# Altium PCB StepTMC5160.PcbDoc (part 1 of 3) (continued)
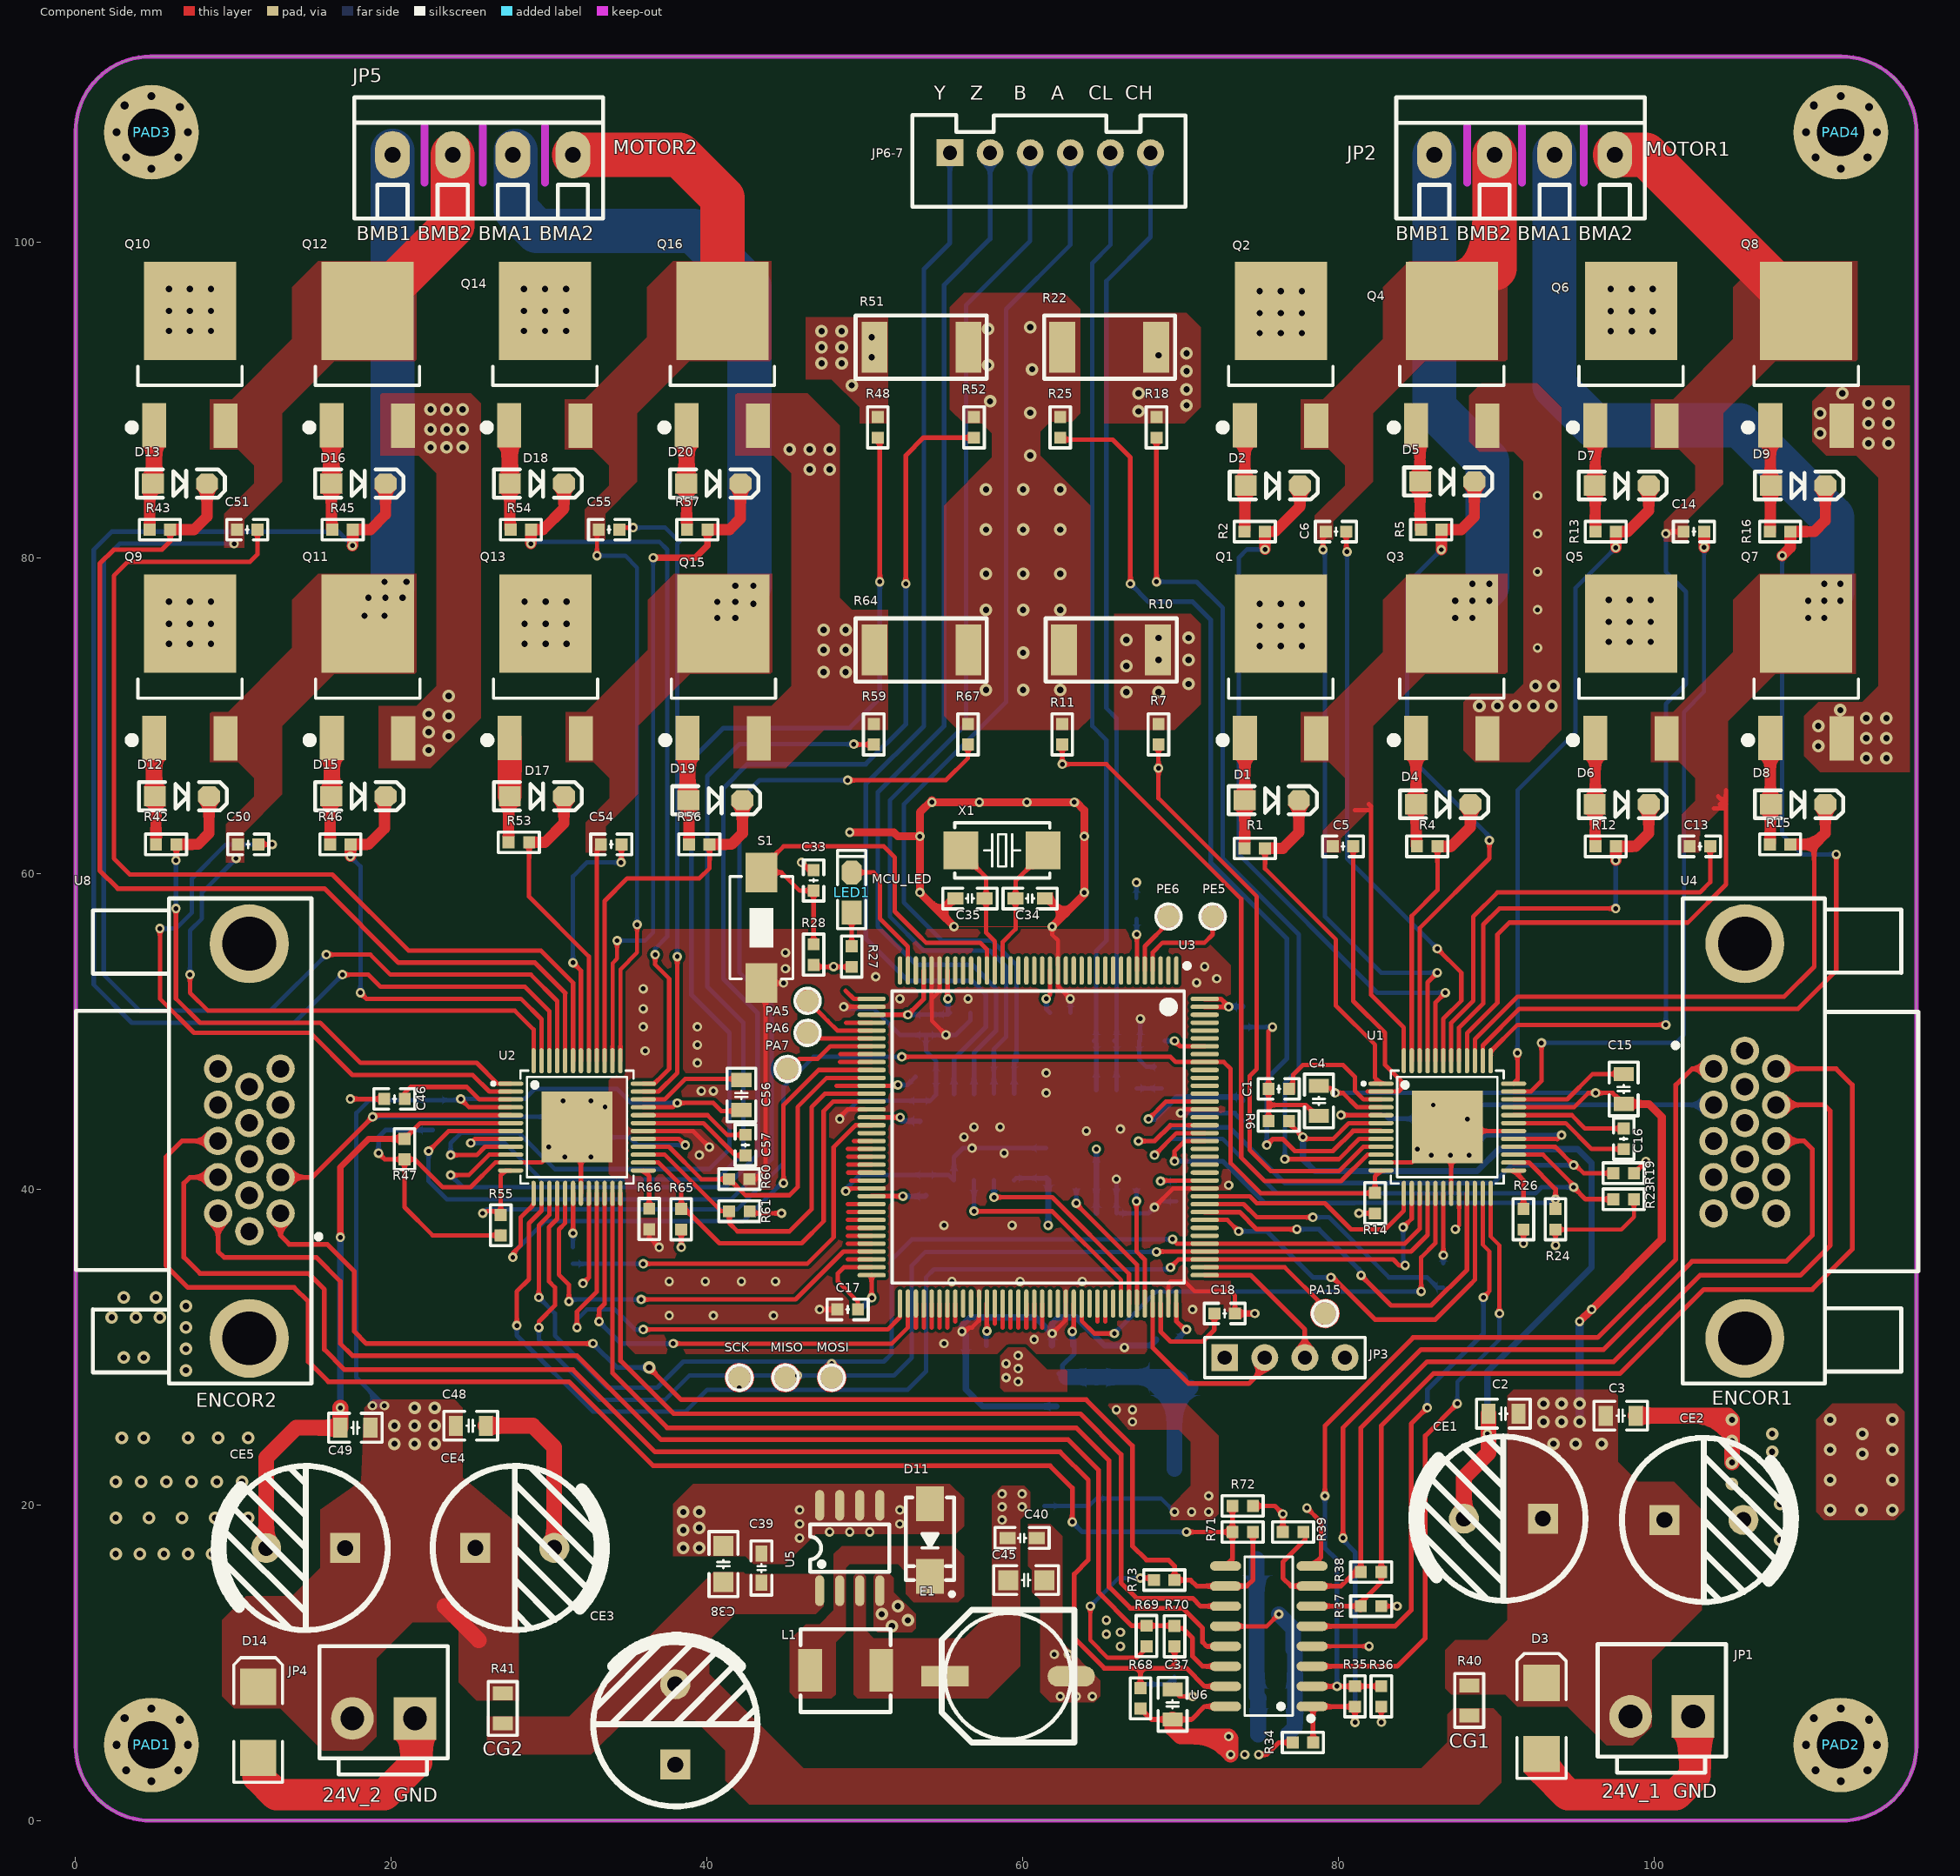
[diagram p0: Component Side view]
## Components (designator, comment, footprint, x,y, rotation, side; value= is the part's Value field where it differs from the comment)
C1 "2.2uF/16V" "C 0603_L" 76.2,46.355 r0 top
C2 "104/100V" "C 0805_L" 90.424,25.781 r0 top
C3 "104/100V" "C 0805_L" 97.856,25.654 r180 top
C4 "104/100V" "C 0805_L" 78.74,45.593 r90 top
C5 "470nF/50V" "C 0603_L" 80.264,61.722 r0 top
C6 "470nF/50V" "C 0603_L" 79.82,81.661 r0 top
C7 "470nF/25V" "C 0603_L" 88.773,43.815 r270 bottom
C8 "2.2uF/16V" "C 0603_L" 84.963,43.815 r90 bottom
C9 "106" "C 0805_M" 76.073,7.747 r180 bottom
C10 "104" "C 0603_M" 75.819,5.461 r180 bottom
C11 "106" "C 0805_M" 67.564,9.779 r90 bottom
C12 "104" "C 0603_M" 69.596,10.033 r90 bottom
C13 "470nF/50V" "C 0603_L" 102.87,61.722 r0 top
C14 "470nF/50V" "C 0603_L" 102.489,81.661 r0 top
C15 "104/100V" "C 0805_L" 98.044,46.355 r270 top
C16 "22nF/100V" "C 0603_L" 98.044,43.195 r270 top
C17 "2.2uF/16V" "C 0603_L" 48.895,32.385 r180 top
C18 "2.2uF/16V" "C 0603_L" 72.771,32.131 r0 top
C19 "104/50V" "C 0603_L" 73.914,50.927 r90 bottom
C20 "104/50V" "C 0603_L" 69.723,39.878 r90 bottom
C21 "104/50V" "C 0603_L" 53.467,44.958 r270 bottom
C22 "104/50V" "C 0603_L" 48.895,32.385 r0 bottom
C23 "104/50V" "C 0603_L" 53.848,50.419 r90 bottom
C24 "104/50V" "C 0603_L" 53.848,40.259 r270 bottom
C25 "104/50V" "C 0603_L" 62.357,51.181 r180 bottom
C26 "104/50V" "C 0603_L" 57.023,30.226 r0 bottom
C27 "104/50V" "C 0603_L" 62.484,30.099 r0 bottom
C29 "104/50V" "C 0603_L" 69.088,30.48 r0 bottom
C30 "104/50V" "C 0603_L" 73.914,45.212 r90 bottom
C31 "104/50V" "C 0603_L" 67.183,57.785 r270 bottom
C32 "104/50V" "C 0603_L" 56.007,51.181 r180 bottom
C33 "104/50V" "C 0603_L" 46.736,59.563 r270 top
C34 "22P/16V" "C 0603_M" 60.452,58.42 r180 top
C35 "22P/16V" "C 0603_M" 56.642,58.42 r0 top
C37 "104/100V" "C 0805_L" 69.469,7.366 r270 top
C38 "106" "C 0805_M" 41.021,16.256 r270 top
C39 "104" "C 0603_M" 43.434,16.002 r270 top
C40 "104" "C 0603_M" 59.944,17.907 r0 top
C41 "106" "C 0805_M" 64.643,26.924 r90 bottom
C42 "104" "C 0603_M" 62.103,27.178 r90 bottom
C43 "106" "C 0805_M" 61.341,21.082 r90 bottom
C44 "104" "C 0603_M" 64.643,21.336 r90 bottom
C45 "106" "C 0805_M" 60.198,15.24 r0 top
C46 "2.2uF/16V" "C 0603_L" 20.193,45.72 r0 top
C47 "104/100V" "C 0805_L" 22.606,44.704 r90 bottom
C48 "104/100V" "C 0805_L" 25.019,25.019 r180 top
C49 "104/100V" "C 0805_L" 17.714,24.892 r0 top
C50 "470nF/50V" "C 0603_L" 10.93,61.849 r0 top
C51 "470nF/50V" "C 0603_L" 10.866,81.788 r0 top
C52 "470nF/25V" "C 0603_L" 33.528,43.942 r270 bottom
C53 "2.2uF/16V" "C 0603_L" 29.972,43.942 r90 bottom
C54 "470nF/50V" "C 0603_L" 33.917,61.849 r0 top
C55 "470nF/50V" "C 0603_L" 33.782,81.788 r0 top
C56 "104/100V" "C 0805_L" 42.164,45.974 r270 top
C57 "22nF/100V" "C 0603_L" 42.418,42.799 r270 top
C58 "104" "C 0603_L" 65.278,38.481 r180 bottom
C59 "104/100V" "C 0805_L" 61.468,41.656 r90 bottom
CE1 "220uF/68V" "CAP 5.0*10*12.5 - BK" 90.424,19.133 r180 top
CE2 "220uF/68V" "CAP 5.0*10*12.5 - BK" 103.124,19.05 r0 top
CE3 "470uF/64V" "CAP 5.0*10*20" 37.973,6.096 r90 top
CE4 "220uF/68V" "CAP 5.0*10*12.5 - BK" 27.813,17.279 r0 top
CE5 "220uF/68V" "CAP 5.0*10*12.5 - BK" 14.565,17.272 r180 top
D1 "1N4148W_C7420318" SOD-123 75.755,64.643 r0 top
D2 "1N4148W_C7420318" SOD-123 75.819,84.582 r0 top
D3 "SMAJ24CA" DIODE-SMB 92.837,6.477 r90 top
D4 "1N4148W_C7420318" SOD-123 86.614,64.389 r0 top
D5 "1N4148W_C7420318" SOD-123 86.868,84.836 r0 top
D6 "1N4148W_C7420318" SOD-123 97.917,64.389 r0 top
D7 "1N4148W_C7420318" SOD-123 97.917,84.582 r0 top
D8 "1N4148W_C7420318" SOD-123 109.093,64.389 r0 top
D9 "1N4148W_C7420318" SOD-123 109.093,84.582 r0 top
D11 "SS310" SMA 54.102,17.78 r270 top
D12 "1N4148W_C7420318" SOD-123 6.731,64.897 r0 top
D13 "1N4148W_C7420318" SOD-123 6.604,84.709 r0 top
D14 "SMAJ24CA" DIODE-SMB 11.557,6.223 r90 top
D15 "1N4148W_C7420318" SOD-123 17.907,64.897 r0 top
D16 "1N4148W_C7420318" SOD-123 17.907,84.709 r0 top
D17 "1N4148W_C7420318" SOD-123 29.21,64.897 r0 top
D18 "1N4148W_C7420318" SOD-123 29.21,84.709 r0 top
D19 "1N4148W_C7420318" SOD-123 40.513,64.643 r0 top
D20 "1N4148W_C7420318" SOD-123 40.386,84.709 r0 top
E1 "180uF/50V" "CM E(8*10.2)" 59.055,9.144 r180 top
JP1 "HDR-1X2" VH3.96-LI-2P 100.457,6.604 r180 top
JP2 "Comment" KF128-3.81-4P 91.765,105.537 r0 top
JP3 "HDR-1X4" HDR2.54-LI-4P 76.581,29.337 r0 top
JP4 "HDR-1X2" VH3.96-LI-2P 19.508,6.477 r180 top
JP5 "Comment" KF128-3.81-4P 25.781,105.537 r0 top
JP6-7 "Comment" XH2.54-LI-6P 61.722,105.664 r0 top
L1 "68uH" IND-SMD_L5.7-W5.2_GSM0530 48.768,9.525 r0 top
LED1 "红色" "LED 0805G" 49.149,58.801 r90 top
MISO "Comment" TIP 44.958,28.067 r0 top
MOSI "Comment" TIP 47.879,28.067 r0 top
PA5 "Comment" TIP 46.355,51.943 r0 top
PA6 "Comment" TIP 46.355,49.911 r0 top
PA7 "Comment" TIP 45.085,47.625 r0 top
PA15 "Comment" TIP 79.121,32.131 r0 top
PAD1 "PAD" PAD_3.0 4.8,4.8 r180 top
PAD2 "PAD" PAD_3.0 111.786,4.8 r180 top
PAD3 "PAD" PAD_3.0 4.8,106.96 r180 top
PAD4 "PAD" PAD_3.0 111.786,106.96 r180 top
PE5 "Comment" TIP 72.009,57.277 r0 top
PE6 "Comment" TIP 69.215,57.277 r0 top
Q1 "ADO4126" TO252 76.327,71.628 r0 top (schematic designator R42)
Q2 "ADO4126" TO252 76.327,91.44 r0 top (schematic designator R45)
Q3 "ADO4126" TO252 87.164,71.628 r0 top (schematic designator R67)
Q4 "ADO4126" TO252 87.164,91.44 r0 top (schematic designator R73)
Q5 "ADO4126" TO252 98.51,71.628 r0 top
Q6 "ADO4126" TO252 98.51,91.44 r0 top (schematic designator R72)
Q7 "ADO4126" TO252 109.601,71.628 r0 top (schematic designator R76)
Q8 "ADO4126" TO252 109.601,91.44 r0 top (schematic designator R66)
Q9 "ADO4126" TO252 7.239,71.628 r0 top (schematic designator R53)
Q10 "ADO4126" TO252 7.239,91.44 r0 top
Q11 "ADO4126" TO252 18.5,71.628 r0 top
Q12 "ADO4126" TO252 18.48,91.44 r0 top (schematic designator R71)
Q13 "ADO4126" TO252 29.76,71.628 r0 top (schematic designator R6)
Q14 "ADO4126" TO252 29.722,91.44 r0 top (schematic designator R58)
Q15 "ADO4126" TO252 41.021,71.628 r0 top
Q16 "ADO4126" TO252 40.963,91.44 r0 top (schematic designator R60)
R1 "10R 1%" "R 0603_L" 74.676,61.595 r180 top (schematic designator R61)
R2 "10R 1%" "R 0603_L" 74.676,81.661 r180 top
R3 "2R2" "R 0603_L" 86.868,43.815 r270 bottom
R4 "10R 1%" "R 0603_L" 85.598,61.722 r180 top
R5 "10R 1%" "R 0603_L" 85.852,81.788 r180 top (schematic designator R70)
R6 "2R2" "R 0603_L" 76.2,44.323 r180 top
R7 "47R 1%" "R 0603_L" 68.58,68.819 r90 top
R8 "0R" "R 2512_L" 110.236,23.876 r0 bottom
R9 "0R" "R 2512_L" 3.683,26.797 r90 bottom
R10 "50mR/3W" "R 2512_L" 65.534,74.168 r0 top
R11 "47R 1%" "R 0603_L" 62.484,68.819 r90 top
R12 "10R 1%" "R 0603_L" 96.901,61.722 r180 top (schematic designator R75)
R13 "10R 1%" "R 0603_L" 96.901,81.661 r180 top (schematic designator X1)
R14 "0R/NC" "R 0603_L" 82.296,39.116 r270 top
R15 "10R 1%" "R 0603_L" 107.95,61.849 r180 top
R16 "10R 1%" "R 0603_L" 107.95,81.661 r180 top
R17 "100R" "R 0603_L" 86.614,34.417 r270 bottom
R18 "47R 1%" "R 0603_L" 68.453,88.265 r90 top
R19 "4.7K" "R 0603_L" 98.044,41.021 r0 top (schematic designator R69)
R22 "50mR/3W" "R 2512_L" 65.434,93.345 r0 top
R23 "4.7K" "R 0603_L" 98.044,39.37 r0 top
R24 "4.7K" "R 0603_L" 93.726,38.1 r270 top
R25 "47R 1%" "R 0603_L" 62.357,88.265 r90 top
R26 "4.7K" "R 0603_L" 91.694,38.1 r270 top
R27 "3K" "R 0603_L" 49.149,54.737 r270 top
R28 "4.7K" "R 0603_L" 46.736,54.864 r270 top
R32 "4.7K" "R 0603_L" 68.072,49.403 r0 bottom
R33 "4.7K" "R 0603_L" 53.833,47.117 r180 bottom
R34 "1K" "R 0603_L" 77.724,4.953 r180 top
R35 "120R" "R 0603_L" 81.026,7.874 r90 top
R36 "1K" "R 0603_L" 82.692,7.874 r90 top
R37 "1K" "R 0603_L" 82.042,13.589 r180 top
R38 "120R" "R 0603_L" 82.042,15.748 r0 top
R39 "1K" "R 0603_L" 77.104,18.288 r180 top
R40 "0R/NC" "R 0805_L" 88.265,7.62 r90 top
R41 "0R/NC" "R 0805_L" 27.051,7.112 r90 top
R42 "10R 1%" "R 0603_L" 5.73,61.849 r180 top
R43 "10R 1%" "R 0603_L" 5.334,81.788 r180 top
R44 "2R2" "R 0603_L" 31.75,43.942 r270 bottom (schematic designator R68)
R45 "10R 1%" "R 0603_L" 16.906,81.788 r180 top
R46 "10R 1%" "R 0603_L" 16.764,61.849 r180 top
R47 "2R2" "R 0603_L" 20.828,42.545 r270 top
R48 "47R 1%" "R 0603_L" 50.8,88.265 r90 top
R51 "50mR/3W" "R 2512_L" 53.594,93.345 r180 top
R52 "47R 1%" "R 0603_L" 56.896,88.265 r90 top
R53 "10R 1%" "R 0603_L" 28.067,61.976 r180 top
R54 "10R 1%" "R 0603_L" 28.194,81.788 r180 top
R55 "0R/NC" "R 0603_L" 26.924,37.719 r270 top
R56 "10R 1%" "R 0603_L" 39.497,61.849 r180 top
R57 "10R 1%" "R 0603_L" 39.37,81.788 r180 top
R58 "100R" "R 0603_L" 31.496,35.926 r270 bottom
R59 "47R 1%" "R 0603_L" 50.546,68.819 r90 top
R60 "4.7K" "R 0603_L" 42.032,40.64 r0 top
R61 "4.7K" "R 0603_L" 42.037,38.608 r0 top
R64 "50mR/3W" "R 2512_L" 53.594,74.168 r180 top
R65 "4.7K" "R 0603_L" 38.354,38.1 r270 top
R66 "4.7K" "R 0603_L" 36.322,38.115 r270 top
R67 "47R 1%" "R 0603_L" 56.515,68.819 r90 top
R68 "1K" "R 0603_L" 67.437,7.747 r270 top
R69 "1K" "R 0603_L" 67.818,11.699 r90 top
R70 "120R" "R 0603_L" 69.596,11.684 r270 top
R71 "120R" "R 0603_L" 73.914,18.288 r0 top
R72 "1K" "R 0603_L" 73.914,19.939 r0 top
R73 "1K" "R 0603_L" 68.946,15.24 r0 top
R74 "10K" "R 0603_L" 68.707,47.117 r90 bottom
R75 "120R" "R 0603_L" 65.278,49.403 r0 bottom
R76 "120R" "R 0603_L" 58.928,48.133 r0 bottom
S1 "SW-PB" SW_PB2_A1 43.434,56.515 r0 top
SCK "Comment" TIP 42.037,28.067 r0 top
U1 "TMC5160A-TA-T" TQFP-48_L7.0-W7.0-P0.50-LS9.0-BL-EP#1 86.868,43.942 r270 top locked
U2 "TMC5160A-TA-T" TQFP-48_L7.0-W7.0-P0.50-LS9.0-BL-EP#2 31.75,43.942 r270 top locked
U3 "STM32F407ZET6" LQFP-144_20x20x05P 60.96,43.307 r180 top locked
U4 "XDDB-1518-0932" DDSUB-TH_HYC06-HDR15B-060 105.717,43.056 r90 top
U5 "XL1509-5.0E1" SOIC-8_L5.0-W4.0-P1.27-LS6.0-BL 49.022,17.272 r0 top
U6 "AM26LV32EIDR" SOIC-16_L9.9-W3.9-P1.27-LS6.0-BL 75.565,11.684 r90 top
U7 "SN65HVD230QDR" SOIC-8_L5.0-W4.0-P1.27-LS6.0-BL 65.278,43.561 r180 bottom
U8 "XDDB-1518-0932" DDSUB-TH_HYC06-HDR15B-060 10.996,43.056 r270 top locked
U9 "ISL8490IBZ-T" SOIC-8_L4.9-W3.9-P1.27-LS6.0-TL 57.531,43.307 r90 bottom
V1 "AMS1117-3V3" SOT223_L 74.803,13.716 r90 bottom
V2 "AMS1117-3V3" SOT223_L 69.596,25.146 r90 bottom
X1 "8MHz" "OSC 6035-2P" 58.674,61.468 r0 top

## Footprints (in the part's own frame and the unit in brackets; to place one, negate y for a bottom-side part, rotate by r counter-clockwise, add the part's x,y. Pads: shape width x height; smd on the part's side, far side on the other; paste and mask are expansions set on the pad)
"C 0603_L" [mil] "无极性贴片电容                                       淘宝ID:黄晶宝石"
  rect 30x30 smd: 1(-25.59,0) 2(25.59,0)
  silkscreen extent -51,-26 51,26, body extent -31,-16 31,16, height 32
"C 0603_M" [mil] "无极性贴片电容                                淘宝ID:黄晶宝石"
  rect 40x30 smd: 1(-36.5,0) 2(36.5,0)
  silkscreen extent -68,-26 68,26, body extent -31,-16 31,16, height 32
"C 0805_L" [mil] "无极性贴片电容                                        淘宝ID:黄晶宝石"
  rect 35x50 smd: 1(-37.4,0) 2(37.4,0)
  silkscreen extent -67,-36 67,36, body extent -39,-24 39,24, height 20
"C 0805_M" [mil] "无极性贴片电容                                         淘宝ID:黄晶宝石"
  rect 50x50 smd: 1(-45,0) 2(45,0)
  silkscreen extent -81,-36 81,36, body extent -39,-24 39,24, height 20
"CAP 5.0*10*12.5 - BK" [mm] "脚距5mm直径10mm高度12.5mm"
  rect 1.9x1.9 hole 1: 1(-2.5,0)
  round 1.9 hole 1: 2(2.5,0)
  silkscreen extent -5.2,-5.21 5.64,5.2, body extent -5,-5 5.01,5, height 12.54
"CAP 5.0*10*20" [mm] "脚距5mm直径10mm高度20mm"
  rect 1.9x1.9 hole 1: 1(-2.54,0)
  round 1.9 hole 1: 2(2.54,0)
  silkscreen extent -5.19,-5.21 5.5,5.19, body extent -5,-5 5.01,5, height 20.03
"CM E(8*10.2)" [mm] "贴片电解电容，直径8mm，高10.2mm        淘宝ID:黄晶宝石"
  rect 3x1.3 smd: 1(4,0)
  oval 3x1.3 smd: 2(-4,0)
  silkscreen extent -4.2,-4.2 4.2,4.2, body extent -4.5,-4.15 4.5,4.15, height 10.2
DDSUB-TH_HYC06-HDR15B-060 [mil]
  round 70.9 hole 43.3: 1(180.3,78) 2(90.1,78) 3(-0.1,78) 4(-90.2,78) 5(-180.4,78) 6(225.3,0) 7(135.2,0) 8(45,0) 9(-45.1,0) 10(-135.3,0) 11(180.3,-78) 12(90.1,-78) 13(-0.1,-78) 14(-90.2,-78) 15(-180.4,-78)
  round 196.8 hole 128: 16(-492.1,0) 17(492.1,0)
  round 177.2 hole 133.9 mask+4: 16(-492.1,0) 17(492.1,0)
  silkscreen extent -605,-432 605,179
DIODE-SMB [mm] "DO-214-AA/SMB; 2 C-Bend Leads; Body 5.3 x 3.6 mm, inc. leads (LxW)"
  rect 2.3x2.3 smd: 1(-2.25,0) 2(2.25,0)
  silkscreen extent -3.8,-1.55 4.1,1.55
HDR2.54-LI-4P [mm] "排针，4脚"
  rect 1.7x1.7 hole 0.9: 1(-3.81,0)
  round 1.7 hole 0.9: 2(-1.27,0) 3(1.27,0) 4(3.81,0)
  silkscreen extent -5.08,-1.27 5.08,1.27, body extent -5.08,-1.27 5.08,1.27, height 8.5
IND-SMD_L5.7-W5.2_GSM0530 [mm]
  rect 1.501x2.7 smd: 1(-2.25,0) 2(2.25,0)
  silkscreen extent -2.87,-2.64 2.85,2.6
KF128-3.81-4P [mm] "螺钉式接线端子，脚距3.81mm"
  oval 2.2x3 hole 1: 1(-5.715,0) 2(-1.905,0) 3(1.905,0) 4(5.715,0)
  silkscreen extent -8.13,-4.04 7.62,3.63, body extent -8.12,-3.9 7.62,3.5, height 8.55
"LED 0805G" [mil] "绿色0805LED                              淘宝ID:黄晶宝石"
  rect 60x50 smd: 1(-50,0)
  oct 60x50 smd: 2(50,0)
  silkscreen extent -90,-35 105,35, body extent -39,-25 39,25, height 32
LQFP-144_20x20x05P [mm]
  oval 0.28x1.8 smd mask+0.051: 1(-8.75,-10.55) 2(-8.25,-10.55) 3(-7.75,-10.55) 4(-7.25,-10.55) 5(-6.75,-10.55) 6(-6.25,-10.55) 7(-5.75,-10.55) 8(-5.25,-10.55) 9(-4.75,-10.55) 10(-4.25,-10.55) 11(-3.75,-10.55) 12(-3.25,-10.55) 13(-2.75,-10.55) 14(-2.25,-10.55) 15(-1.75,-10.55) 16(-1.25,-10.55) 17(-0.75,-10.55) 18(-0.25,-10.55) 19(0.25,-10.55) 20(0.75,-10.55) 21(1.25,-10.55) 22(1.75,-10.55) 23(2.25,-10.55) 24(2.75,-10.55) 25(3.25,-10.55) 26(3.75,-10.55) 27(4.25,-10.55) 28(4.75,-10.55) 29(5.25,-10.55) 30(5.75,-10.55) 31(6.25,-10.55) 32(6.75,-10.55) 33(7.25,-10.55) 34(7.75,-10.55) 35(8.25,-10.55) 36(8.75,-10.55) 73(8.75,10.55) 74(8.25,10.55) 75(7.75,10.55) 76(7.25,10.55) 77(6.75,10.55) 78(6.25,10.55) 79(5.75,10.55) 80(5.25,10.55) 81(4.75,10.55) 82(4.25,10.55) 83(3.75,10.55) 84(3.25,10.55) 85(2.75,10.55) 86(2.25,10.55) 87(1.75,10.55) 88(1.25,10.55) 89(0.75,10.55) 90(0.25,10.55) 91(-0.25,10.55) 92(-0.75,10.55) 93(-1.25,10.55) 94(-1.75,10.55) 95(-2.25,10.55) 96(-2.75,10.55) 97(-3.25,10.55) 98(-3.75,10.55) 99(-4.25,10.55) 100(-4.75,10.55) 101(-5.25,10.55) 102(-5.75,10.55) 103(-6.25,10.55) 104(-6.75,10.55) 105(-7.25,10.55) 106(-7.75,10.55) 107(-8.25,10.55) 108(-8.75,10.55)
  oval 1.8x0.28 smd mask+0.051: 37(10.55,-8.75) 38(10.55,-8.25) 39(10.55,-7.75) 40(10.55,-7.25) 41(10.55,-6.75) 42(10.55,-6.25) 43(10.55,-5.75) 44(10.55,-5.25) 45(10.55,-4.75) 46(10.55,-4.25) 47(10.55,-3.75) 48(10.55,-3.25) 49(10.55,-2.75) 50(10.55,-2.25) 51(10.55,-1.75) 52(10.55,-1.25) 53(10.55,-0.75) 54(10.55,-0.25) 55(10.55,0.25) 56(10.55,0.75) 57(10.55,1.25) 58(10.55,1.75) 59(10.55,2.25) 60(10.55,2.75) 61(10.55,3.25) 62(10.55,3.75) 63(10.55,4.25) 64(10.55,4.75) 65(10.55,5.25) 66(10.55,5.75) 67(10.55,6.25) 68(10.55,6.75) 69(10.55,7.25) 70(10.55,7.75) 71(10.55,8.25) 72(10.55,8.75) 109(-10.55,8.75) 110(-10.55,8.25) 111(-10.55,7.75) 112(-10.55,7.25) 113(-10.55,6.75) 114(-10.55,6.25) 115(-10.55,5.75) 116(-10.55,5.25) 117(-10.55,4.75) 118(-10.55,4.25) 119(-10.55,3.75) 120(-10.55,3.25) 121(-10.55,2.75) 122(-10.55,2.25) 123(-10.55,1.75) 124(-10.55,1.25) 125(-10.55,0.75) 126(-10.55,0.25) 127(-10.55,-0.25) 128(-10.55,-0.75) 129(-10.55,-1.25) 130(-10.55,-1.75) 131(-10.55,-2.25) 132(-10.55,-2.75) 133(-10.55,-3.25) 134(-10.55,-3.75) 135(-10.55,-4.25) 136(-10.55,-4.75) 137(-10.55,-5.25) 138(-10.55,-5.75) 139(-10.55,-6.25) 140(-10.55,-6.75) 141(-10.55,-7.25) 142(-10.55,-7.75) 143(-10.55,-8.25) 144(-10.55,-8.75)
  silkscreen extent -9.57,-11 9.25,9.25, body extent -11,-11 11,11, height 1.6
"OSC 6035-2P" [mm] "6mm*3.5mm*1mm(长*宽*高)"
  rect 2.2x2.4 smd: 1(-2.6,0) 2(2.6,0)
  silkscreen extent -3,-1.75 3.02,1.75, body extent -3,-1.75 3,1.75, height 1.06
PAD_3.0 [mm]
  round 6 hole 3: ""(0,0)
"R 0603_L" [mil] "1/10W贴片电阻                 淘宝ID:黄晶宝石"
  rect 30x30 smd: 1(-25.59,0) 2(25.59,0)
  silkscreen extent -51,-26 51,26, body extent -31,-16 32,16, height 16
"R 0805_L" [mil] "1/8W贴片电阻"
  rect 35x50 smd: 1(-37.4,0) 2(37.4,0)
  silkscreen extent -67,-36 67,36, body extent -39,-25 39,25, height 20
"R 2512_L" [mm] "1W贴片电阻"
  rect 1.65x3.2 smd: 1(-2.95,0) 2(3,0)
  silkscreen extent -4.1,-2 4.2,2, body extent -3.2,-1.6 3.2,1.6, height 0.55
SMA [mm] "4.5x2.6*2.2mm（长宽高，不包括引脚）"
  rect 2.2x1.75 smd: 1(-2.3,0) 2(2.3,0)
  silkscreen extent -2.7,-1.52 3.56,1.52, body extent -2.53,-1.3 2.58,1.3, height 2.15
SOD-123 [mil] "2.7x1.6X1.1mm（长宽高，不包括引脚） 淘宝ID:黄晶宝石"
  rect 55x50 smd: 1(-67.5,0)
  oct 55x50 smd: 2(67.5,0)
  silkscreen extent -108,-35 112,35, body extent -73,-31 73,31, height 48
SOIC-8_L4.9-W3.9-P1.27-LS6.0-TL [mm]
  oval 1.519x0.599 smd mask+0.102: 1(-2.741,1.905) 2(-2.741,0.635) 3(-2.741,-0.635) 4(-2.741,-1.905) 5(2.741,-1.905) 6(2.741,-0.635) 7(2.741,0.635) 8(2.741,1.905)
  silkscreen extent -3.03,-2.5 2,2.95
SOIC-8_L5.0-W4.0-P1.27-LS6.0-BL [mil]
  oval 22.4x76.8 smd: 1(-75,-106.5) 2(-25,-106.5) 3(25,-106.5) 4(75,-106.5) 5(75,106.5) 6(25,106.5) 7(-25,106.5) 8(-75,106.5)
  silkscreen extent -98,-59 98,59
SOIC-16_L9.9-W3.9-P1.27-LS6.0-BL [mm]
  oval 0.602x1.971 smd: 1(-4.445,-2.736) 2(-3.175,-2.736) 3(-1.905,-2.736) 4(-0.635,-2.736) 5(0.635,-2.736) 6(1.905,-2.736) 7(3.175,-2.736) 8(4.445,-2.736) 9(4.445,2.736) 10(3.175,2.736) 11(1.905,2.736) 12(0.635,2.736) 13(-0.635,2.736) 14(-1.905,2.736) 15(-3.175,2.736) 16(-4.445,2.736)
  silkscreen extent -5.36,-2.82 5.03,1.52
SOT223_L [mm] "SOT223, 4-Leads, Body 6.5x3.5mm, Pitch 2.3mm, Lead Span 7mm, IPC High Density"
  rect 2.1x0.9 smd: 1(-2.85,2.3) 2(-2.85,0) 3(-2.85,-2.3)
  rect 2.1x3.2 smd: 4(2.85,0)
  silkscreen extent -2.97,-3.35 1.5,3.43, body extent -1.85,-3.35 1.85,3.35, height 1.7
SW_PB2_A1 [mm]
  rect 2x2.5 smd: 1(0,3.556) 2(0,-3.444)
  silkscreen extent -2,-3.19 2,3.31, body extent -1.93,-3.94 1.92,3.95, height 2.5
TIP [mm] "测试点1.6mm"
  round 1.4 smd: 1(0,0)
  Component Side circle w0.254: c0,0 r0.813
  silkscreen extent -0.8,-0.8 0.8,0.8
TO252 [mil] "252晶体管"
  rect 60x110 smd: 1(-89.55,-119.77) 3(88.45,-120.77)
  rect 230x245 smd: 2(0,165.35)
  silkscreen extent -153,-133 130,28, body extent -128,-120 128,251, height 91
TQFP-48_L7.0-W7.0-P0.50-LS9.0-BL-EP#1 [mil]
  oval 11x63 smd paste-3937 mask+2: 1(-108.2,-165.3) 2(-88.5,-165.3) 3(-68.9,-165.3) 4(-49.2,-165.3) 5(-29.5,-165.3) 6(-9.8,-165.3) 7(9.9,-165.3) 8(29.6,-165.3) 9(49.3,-165.3) 10(68.9,-165.3) 11(88.6,-165.3) 12(108.3,-165.3) 25(108.3,165.3) 26(88.6,165.3) 27(68.9,165.3) 28(49.3,165.3) 29(29.6,165.3) 30(9.9,165.3) 31(-9.8,165.3) 32(-29.5,165.3) 33(-49.2,165.3) 34(-68.9,165.3) 35(-88.5,165.3) 36(-108.2,165.3)
  oval 63x11 smd paste-3937 mask+2: 13(165.4,-108.3) 14(165.4,-88.6) 15(165.4,-68.9) 16(165.4,-49.2) 17(165.4,-29.5) 18(165.4,-9.8) 19(165.4,9.8) 20(165.4,29.5) 21(165.4,49.2) 22(165.4,68.9) 23(165.4,88.6) 24(165.4,108.3) 37(-165.3,108.3) 38(-165.3,88.6) 39(-165.3,68.9) 40(-165.3,49.2) 41(-165.3,29.5) 42(-165.3,9.8) 43(-165.3,-9.8) 44(-165.3,-29.5) 45(-165.3,-49.2) 46(-165.3,-68.9) 47(-165.3,-88.6) 48(-165.3,-108.3)
  rect 181.1x177.17 smd paste-3937 mask+2: 49(0,0)
  silkscreen extent -141,-213 141,141
TQFP-48_L7.0-W7.0-P0.50-LS9.0-BL-EP#2 [mil]
  oval 11x63 smd paste-3937 mask+2: 1(-108.2,-165.3) 2(-88.5,-165.3) 3(-68.9,-165.3) 4(-49.2,-165.3) 5(-29.5,-165.3) 6(-9.8,-165.3) 7(9.9,-165.3) 8(29.6,-165.3) 9(49.3,-165.3) 10(68.9,-165.3) 11(88.6,-165.3) 12(108.3,-165.3) 25(108.3,165.3) 26(88.6,165.3) 27(68.9,165.3) 28(49.3,165.3) 29(29.6,165.3) 30(9.9,165.3) 31(-9.8,165.3) 32(-29.5,165.3) 33(-49.2,165.3) 34(-68.9,165.3) 35(-88.5,165.3) 36(-108.2,165.3)
  oval 63x11 smd paste-3937 mask+2: 13(165.4,-108.3) 14(165.4,-88.6) 15(165.4,-68.9) 16(165.4,-49.2) 17(165.4,-29.5) 18(165.4,-9.8) 19(165.4,9.8) 20(165.4,29.5) 21(165.4,49.2) 22(165.4,68.9) 23(165.4,88.6) 24(165.4,108.3) 37(-165.3,108.3) 38(-165.3,88.6) 39(-165.3,68.9) 40(-165.3,49.2) 41(-165.3,29.5) 42(-165.3,9.8) 43(-165.3,-9.8) 44(-165.3,-29.5) 45(-165.3,-49.2) 46(-165.3,-68.9) 47(-165.3,-88.6) 48(-165.3,-108.3)
  rect 177.17x177.17 smd paste-3937 mask+2: 49(0,0)
  silkscreen extent -141,-213 141,141
VH3.96-LI-2P [mm] "接插件，25V/5A  淘宝ID:黄晶宝石   店铺网址:https://shop463601444.taobao.com"
  rect 2.7x2.7 hole 1.5: 1(-1.98,0)
  round 2.7 hole 1.5: 2(1.982,0)
  silkscreen extent -4.06,-4.57 4.07,3.56, body extent -3.98,-4.4 4.03,4.16, height 10.5
XH2.54-LI-6P [mm] "接插件，6P"
  rect 1.7x1.7 hole 0.9: 1(-6.35,0)
  round 1.7 hole 0.9: 2(-3.81,0) 3(-1.27,0) 4(1.27,0) 5(3.81,0) 6(6.35,0)
  silkscreen extent -8.74,-3.43 8.56,2.39, body extent -8.85,-3.3 8.85,2.4, height 7.03

## Part data
C1 C2 C3 C4 C5 C6 C7 C8 C9 C10 C11 C12 C13 C14 C15 C16 C17 C18 C19 C20 C21 C22 C23 C24 C25 C26 C27 C29 C30 C31 C32 C33 C34 C35 C37 C38 C39 C40 C41 C42 C43 C44 C45 C46 C47 C48 C49 C50 C51 C52 C53 C54 C55 C56 C57 C58 C59: library part C, "贴片电容"
CE1 CE2 CE3 CE4 CE5: library part CE, "直插电解电容"
D3 D14: library part TVS, "TVS保护", PackageDocument=Sep-1996, Code_JEDEC=DO-214-AB, LatestRevisionDate=17-Jul-2002, LatestRevisionNote="Re-released for DXP Platform.", PackageReference=SMC, Published=8-Jun-2000, Publisher="Altium Limited", Type=E6.8CA
D11: library part SS34, "肖特基二极管"
E1: library part CE_SMD, "贴片电解电容"
JP1 JP4: library part "Header 2", "2P接插件"
JP3: library part "Header 4", "4P接插件", 学习资源=https://shop46360
L1: library part L-CDRH, "功率屏蔽电感", 联系售后=https://shop46360
LED1: library part LED-SMD, "贴片LED"
PAD1 PAD2 PAD3 PAD4: "固定用途的焊盘"
Q1 Q2 Q3 Q4 Q6 Q7 Q8 Q9 Q12 Q13 Q14 Q16 R1 R2 R3 R4 R5 R6 R7 R8 R9 R10 R11 R12 R14 R15 R16 R17 R18 R19 R22 R23 R24 R25 R26 R27 R28 R32 R33 R34 R35 R36 R37 R38 R39 R40 R41 R42 R43 R44 R45 R46 R47 R48 R51 R52 R53 R54 R55 R56 R57 R58 R59 R60 R61 R64 R65 R66 R67 R68 R69 R70 R71 R72 R73 R74 R75 R76: library part R, "贴片电阻"
Q5 Q10 Q11 Q15: library part 2SK3615, "N沟场效应管"
R13 X1: library part XTAL-2P, "2脚无源脚晶振"
S1: "微动开关", LatestRevisionDate=17-Jul-2002, LatestRevisionNote="Re-released for DXP Platform.", PackageReference=SPST-2, Published=24-Mar-1999, Publisher="Altium Limited"
U5: "功能类型:降压型;工作电压:4.5V~40V;输出电压:5V;输出电流:2A;输出类型:固定;"
U7: "类型:CAN收发器;数据速率:1Mbps;", Current - Supply=17mA, JLCPCB Part Class="Extended Part", LCSC Part Name="SN65HVD230Q-Q1 CAN收?", Manufacturer=TI(德?, Operating Temperature=-40℃~+125?, Quiescent Supply Current=370uA, Voltage - Supply=3V~3.6V, 3D Model=7abc64c95a1a4a04a4ef38f9097c870b0819f05c4eef4c71ace90d822a990e87, 3D Model Transform=192.913,236.22,0,0,0,0,0,0,0, AddInBom=yes, ConvertToPcb=yes, Data Rate=1Mbps, Datasheet=https://www.ti.com/cn/lit/gpn/sn65hvd230q, Device=SN65HVD230QDR, FootprintName=SOIC-8_L5.0-W4.0-P1.27-LS6.0-BL, Manufacturer Part=SN65HVD230QDR, ModelName=SOIC-8_L5.0-W4.0-P1.27-LS6.0-BL, Number of Channels=-, Supplier=LCSC, Supplier Footprint=SOIC-8, Supplier Part=C16468, Symbol=SN65HVD230QDR, Type=CAN收?
V1 V2: library part AMS1117, "三端稳压芯片"
U1 U2: Symbol=TMC5160A-TA-T
U4 U8: Symbol=XDDB-1518-0932
U6: Symbol=AM26LV32EIDR
U9: Symbol=ISL8490IBZ-T

## Via types
v1: diameter 0.6, hole 0.3, Component Side to Bottom Layer, 288 vias
v2: diameter 0.8, hole 0.4, Component Side to Bottom Layer, 278 vias
v3: diameter 0.5, hole 0.5, Component Side to Bottom Layer, tented both sides, 32 vias

## Nets (pads, with @x,y where several pads share a name; then routed paths per layer and width w, separated by ;. In a path a pad name is that pad's centre, name@x,y a point inside that pad or via, vN(x,y) a via of type N, cw(c..) or ccw(c..) an arc to the next point about the centre after c; other vN are vias at no path point)
3.3V: C19.2 C20.2 C21.2 C22.2 C23.2 C24.2 C25.2 C26.2 C27.2 C29.2 C30.2 C31.2 C32.2 C41.2 C42.2 C58.2 JP3.1 R23.2 R24.2 R27.2 R28.2 R61.2 R65.2 U1.20 U2.20 U3.6 U3.17 U3.30 U3.33 U3.39 U3.52 U3.62 U3.72 U3.84 U3.95 U3.108 U3.121 U3.131 U3.143 U3.144 U7.3 V2.2 V2.4 | length 98.9
  Component Side w0.254: v1(87.376,37.465) 87.617,37.706 U1.20@87.617,39.741 ; v1(93.726,36.449) R24.2@93.726,37.45 97.902,37.45 98.694,38.242 R23.2@98.694,39.37
  Component Side w0.279: v1(32.131,34.036) 32.499,34.404 U2.20@32.499,39.741 ; v1(38.354,36.322) R65.2@38.354,37.45 ; R61.2@42.687,38.608 42.814,38.481 v1(44.704,38.481) ; R28.2@46.736,54.214 46.863,54.087 R27.2@49.149,54.087 ; U3.72@50.41,34.557 50.41,33.141 v1(50.419,33.132) ; U3.39@50.41,51.057 52.702,51.057 v1(52.705,51.054) ; v1(63.119,30.988) 63.21,31.079 U3.95@63.21,32.757 ; v1(67.198,56.149) 67.21,56.137 U3.6@67.21,53.857 ; v1(67.945,44.45) 69.052,45.557 U3.131@71.51,45.557 ; v1(68.707,40.513) 68.751,40.557 U3.121@71.51,40.557
  Component Side w0.3: U3.62@50.41,39.557 v1(52.391,39.557) ; U3.52@50.41,44.557 v1(52.217,44.557) ; v1(52.705,51.054) 53.71,52.059 U3.33@53.71,53.857 ; U3.30@55.21,53.857 55.21,52.105 v1(55.245,52.07) ; v1@57.71,30.913 v1(57.71,31.014) U3.84@57.71,32.757 ; v1(61.468,52.07) 61.468,52.094 61.71,52.336 U3.17@61.71,53.857 ; U3.108@69.71,32.757 69.71,31.636 70.231,31.115 v1(70.358,31.115) ; U3.143@71.51,51.557 73.02,51.557 v1(73.025,51.562) 72.53,52.057 U3.144@71.51,52.057
  Bottom Layer w0.254: v1(68.707,40.513) 69.708,40.513 C20.2@69.723,40.528
  Bottom Layer w0.279: C31.2@67.183,57.135 67.198,57.12 v1(67.198,56.149) ; JP3.1@72.771,29.337 JP3.1@72.771,29.845
  Bottom Layer w0.3: v1(52.705,51.054) 52.72,51.069 C23.2@53.848,51.069 C32.2@55.245,51.069 ; v1(55.245,52.07) C32.2@55.245,51.069 ; C32.2@55.357,51.181 C32.2@55.245,51.069 ; C26.2@57.673,30.099 C26.2@57.673,30.226 57.673,30.977 v1(57.71,31.014) ; v1(61.468,52.07) 61.468,51.42 C25.2@61.707,51.181 ; C42.2@62.268,28.321 62.484,28.105 62.484,28.829 63.246,29.591 C27.2@63.246,30.353 ; v1(63.119,30.988) 63.134,30.973 C27.2@63.134,30.099 ; C29.2@69.738,30.48 70.358,31.1 v1(70.358,31.115) ; JP3.1@72.517,29.591 JP3.1@72.771,29.845
  Bottom Layer w0.35: C22.2@49.545,32.258 v1(50.419,33.132) ; v1(52.217,44.557) 52.217,44.43 52.324,44.323 53.452,44.323 C21.2@53.467,44.308 ; v1@52.466,39.482 v1(52.391,39.557) 53.796,39.557 C24.2@53.848,39.609 ; C58.2@64.628,38.481 C58.2@64.643,38.496 ; C58.2@64.643,38.481 C58.2@64.643,38.496 ; v1(64.643,42.545) U7.3@64.643,40.856 C58.2@64.643,38.496 ; v1(67.945,44.45) 68.326,44.45 69.723,45.847 73.69,45.847 C30.2@73.914,45.623 ; v1(73.025,51.562) 73.04,51.577 C19.2@73.914,51.577
  Bottom Layer w1: 62.738,28.105 C41.2@64.605,28.105 ; C41.2@64.643,28.067 C41.2@64.605,28.105 ; V2.4@68.326,27.686 69.596,26.416 ; V2.2@69.596,22.296 69.596,26.416 ; V2.4@69.723,27.813 ccw(c70.03,27.506) 69.596,27.506 69.596,26.416 ; V2.4@69.977,27.94 ccw(c69.578,27.541) 69.578,28.105 C41.2@64.605,28.105 ; V2.4@70.612,27.432 69.596,26.416
  other v1: 59.69,27.813 58.928,28.067 59.69,28.639 58.928,28.956 59.69,29.464 48.006,54.102
3.3V_2: C9.2 C10.2 C37.2 R34.2 R39.2 R68.2 R72.2 U6.4 U6.16 V1.2 V1.4 | length 33.5
  Component Side w0.254: U6.4@78.301,11.049 v1(81.915,11.049)
  Component Side w0.3: R68.2@67.437,7.097 68.118,6.416 C37.2@69.469,6.416 70.678,6.416 71.501,7.239 U6.16@72.829,7.239 ; R72.2@74.564,19.939 75.946,19.939 v1(76.454,19.431) R39.2@76.454,18.288 ; v1(74.93,4.191) 75.438,4.191 76.2,4.953 R34.2@77.074,4.953
  Component Side w1: C37.2@69.469,6.416 69.469,5.842 69.977,5.334 72.009,5.334 ; v1@73.025,4.318 72.009,5.334 ; v1(73.152,4.191) 73.152,5.207 v1(73.025,5.334) 72.009,5.334
  Bottom Layer w1: V1.4@74.803,16.566 V1.2@74.803,10.866 74.803,7.874 C9.2@74.93,7.747 74.892,7.709 C10.2@74.892,5.461
  other v1: 74.041,4.191
24V: C38.2 C39.2 CE3.2 R40.1 R41.1 U5.1
+5V: C11.2 C12.2 C40.1 C43.2 C44.2 C45.1 C59.1 E1.1 L1.2 U5.3 U9.1 V1.3 V2.3 | length 5.3
  Bottom Layer w0.279: U9.1@59.436,40.566 59.576,40.706 C59.1@61.468,40.706
  Bottom Layer w0.4: v1@61.468,37.719 v1(61.595,37.719) 61.595,40.579 C59.1@61.468,40.706
  other v1: 66.167,11.049 65.278,11.811 66.167,11.938 65.278,12.7 58.674,19.05 58.674,19.875 59.944,19.875 58.674,20.701 59.944,20.701
+U1_24V: C2.2 C3.2 C4.2 C15.2 CE1.1 CE2.1 D3.2 JP1.2 Q1.2 Q2.2 Q5.2 Q6.2 R40.2 U1.4 U1.33 | length 53.8
  Component Side w0.279: C4.2@78.74,46.416 79.441,46.416 v1(79.756,46.101) 80.264,46.101 81.162,45.203 82.658,45.203 U1.4@82.669,45.192 ; U1.33@91.067,45.192 94.891,45.192 95.8,46.101 v1(96.266,46.101) 97.348,46.101 C15.2@98.044,45.405
  Component Side w0.5: v1(95.25,31.623) v1(96.012,32.385) 100.457,36.83 100.457,44.577 99.629,45.405 C15.2@98.044,45.405
  Bottom Layer w0.279: v1@79.883,46.101 v1(96.266,46.101)
  Bottom Layer w0.5: v2(95.25,25.273) v2(95.25,26.416) v1(95.25,31.623) v1(96.012,32.385)
  other v2: 93.599,23.876 94.996,23.876 96.647,23.876 92.964,25.273 94.107,25.273 92.964,26.416 94.107,26.416 74.993,74.422 76.327,74.422 77.66,74.422 97.091,74.676 98.425,74.676 99.758,74.676 74.993,75.692 76.327,75.692 77.66,75.692 97.091,75.946 98.425,75.946 99.758,75.946 74.993,77.089 76.327,77.089 77.66,77.089 97.091,77.343 98.425,77.343 99.758,77.343 74.993,94.234 76.327,94.234 77.66,94.234 97.218,94.361 98.552,94.361 99.885,94.361 74.993,95.504 76.327,95.504 77.66,95.504 97.218,95.631 98.552,95.631 99.885,95.631 74.993,96.901 76.327,96.901 77.66,96.901 97.218,97.028 98.552,97.028 99.885,97.028
+U2_24V: C47.2 C48.2 C49.2 C56.2 CE4.1 CE5.1 D14.2 JP4.2 Q9.2 Q10.2 Q13.2 Q14.2 R41.2 U2.4 U2.33 | length 56.8
  Component Side w0.279: v1@24.511,45.593 24.912,45.192 U2.4@27.551,45.192 ; U2.33@35.949,45.192 37.826,45.192 v1(38.1,45.466) 40.386,45.466 40.894,44.958 C56.2@42.164,44.958
  Component Side w1: 23.368,13.589 25.527,11.43
  Bottom Layer w0.279: 17.78,29.21 17.78,28.067 ; C47.2@22.606,45.654 18.603,45.654 17.78,44.831 17.78,28.067 ; C47.2@22.733,45.654 24.323,45.654 24.384,45.593 v1(24.384,45.72) 28.448,45.72 29.083,46.355 34.29,46.355 35.179,45.466 v1(38.1,45.466) ; 17.78,28.067 18.796,27.051 ; 18.796,26.797 v1@19.304,26.289 ; 18.796,26.797 18.796,27.051 ; 18.796,26.797 v1(18.796,26.289) v1@19.304,26.289 ; 18.796,27.051 v1(19.558,26.289) v1@19.304,26.289
  other v2: 20.193,23.876 21.463,23.876 22.733,23.876 20.193,25.019 21.463,25.019 22.733,25.019 21.463,26.162 22.733,26.162 5.905,74.558 7.239,74.558 8.572,74.558 28.427,74.558 29.76,74.558 31.094,74.558 5.905,75.828 7.239,75.828 8.572,75.828 28.427,75.828 29.76,75.828 31.094,75.828 5.905,77.225 7.239,77.225 8.572,77.225 28.427,77.225 29.76,77.225 31.094,77.225 5.905,94.37 7.239,94.37 8.572,94.37 28.388,94.37 29.722,94.37 31.055,94.37 5.905,95.64 7.239,95.64 8.572,95.64 28.388,95.64 29.722,95.64 31.055,95.64 5.905,97.037 7.239,97.037 8.572,97.037 28.388,97.037 29.722,97.037 31.055,97.037
A: JP6-7.4 R76.2 U9.8 | length 68.8
  Bottom Layer w0.279: U9.8@59.436,46.048 59.436,48.118 59.451,48.133 R76.2@59.436,48.148 ; R76.2@59.578,48.133 59.578,54.214 58.039,55.753 54.864,55.753 52.451,58.166 52.451,64.389 58.928,70.866 58.928,95.758 62.992,99.822 JP6-7.4@62.992,105.664
B: JP6-7.3 R76.1 U9.7 | length 69.1
  Bottom Layer w0.279: U9.7@58.166,46.048 58.151,46.063 58.151,48.88 58.928,49.657 58.928,54.102 57.912,55.118 53.721,55.118 51.562,57.277 51.562,64.643 56.388,69.469 56.388,96.012 60.452,100.076 JP6-7.3@60.452,105.664
BOOT0: R32.2 U3.138 | length 2.7
  Component Side w0.279: v1(69.596,49.403) 69.942,49.057 U3.138@71.51,49.057
  Bottom Layer w0.279: R32.2@68.976,49.403 v1(69.596,49.403)
BOOT1: R33.2 U3.48 | length 5.2
  Component Side w0.279: 48.185,46.557 U3.48@50.41,46.557 52.018,46.557 v1(52.07,46.609)
  Bottom Layer w0.279: v1(52.07,46.609) 52.675,46.609 R33.2@53.183,47.117
CAN1_RX: U3.103 U7.4 | length 8.9
  Component Side w0.279: v1@63.436,39.052 v1(63.373,39.116) 63.373,39.059 67.131,35.301 67.21,35.222 U3.103@67.21,32.757
  Bottom Layer w0.279: v1(63.373,39.116) U7.4@63.373,39.967
CAN1_TX: U3.104 U7.1 | length 7.4
  Component Side w0.279: v1(67.183,39.243) 67.183,36.195 67.183,36.068 67.691,35.56 ; U3.104@67.71,32.757 67.71,35.56
  Bottom Layer w0.279: v1(67.183,39.243) U7.1@67.183,39.967
CAN_H: JP6-7.6 R75.2 U7.7 | length 60.9
  Bottom Layer w0.279: R75.2@65.801,49.403 65.913,49.291 65.913,48.626 ; U7.7@65.913,46.266 65.913,48.626 ; 65.928,48.641 65.913,48.626 ; R75.2@65.928,49.403 65.928,69.835 65.278,70.485 65.278,97.536 68.072,100.33 JP6-7.6@68.072,105.664
CAN_L: JP6-7.5 R75.1 U7.6 | length 60.6
  Bottom Layer w0.279: R75.1@64.501,49.403 64.643,49.261 64.643,48.626 ; 64.628,48.641 64.643,48.626 ; R75.1@64.628,49.403 64.628,55.103 65.278,55.753 65.278,68.453 64.389,69.342 64.389,98.679 65.532,99.822 JP6-7.5@65.532,105.664 ; U7.6@64.643,46.266 64.643,48.626